# KiCad board mainboard.kicad_pcb (continued)
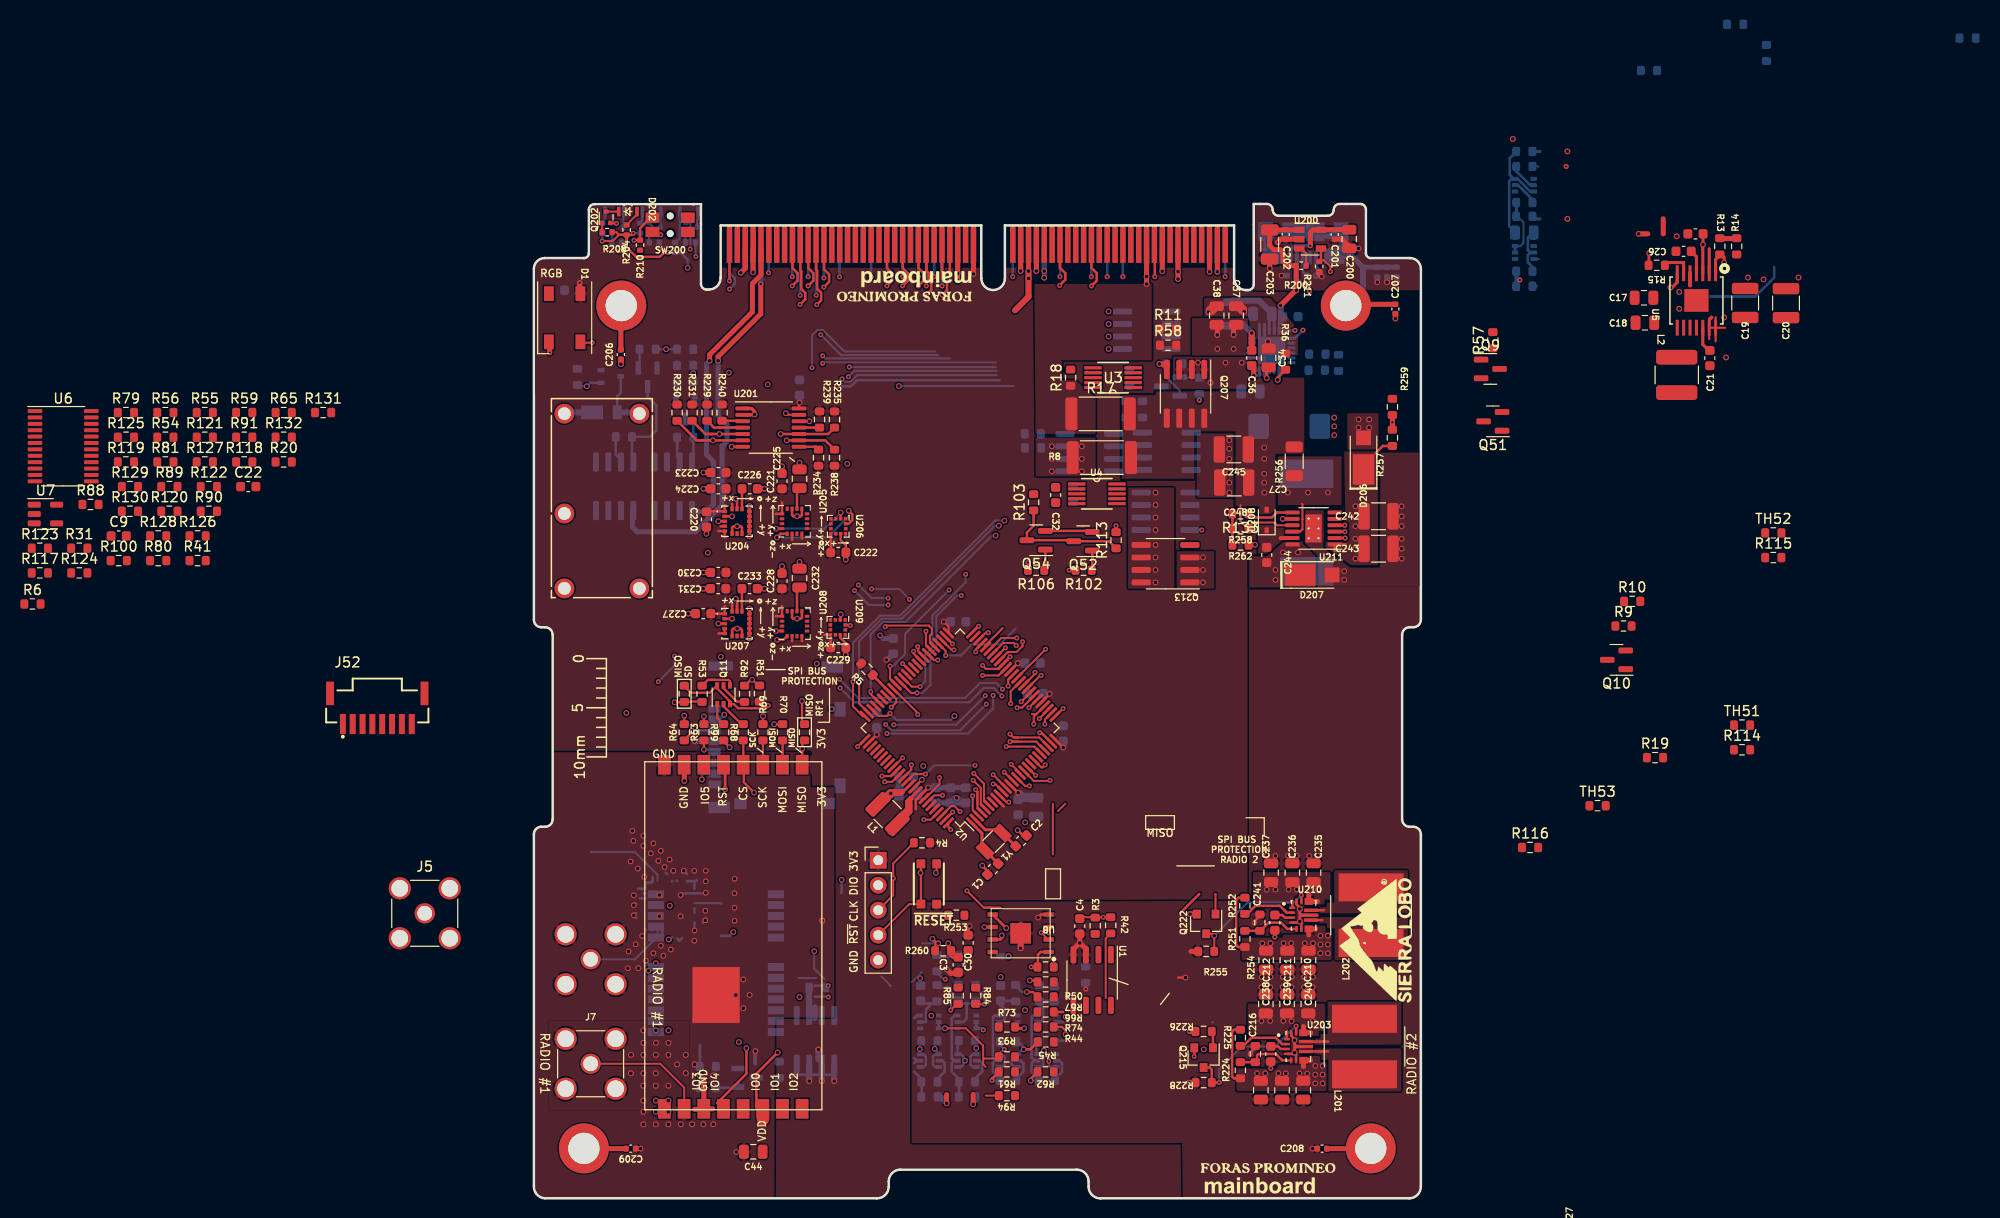
[diagram p0: board, top side]
## Routing (per net, layer and track width the routed paths; a pad name or vN(x,y) marks a point on that pad's centre or on a via; arc(x,y) is an arc through that point) (continued)
Net-(D202-Pad1): length 1.3
  Top w0.203: D202.1 8.62,100.37 Q202.3
Net-(D202-Pad2): length 1.8
  Top w0.203: R204.2 9.42,99.03 10.48,100.09 D202.2
Net-(D203-Pad1): length 1.6
  Bottom w0.203: Q203.3 16.58,99.52 16.65,99.59 16.65,100.38
Net-(D203-Pad2): length 3.3
  Bottom w0.203: R205.2 14.82,97.68 D203.2
Net-(J5-Pad1): length 8.4
  Bottom w0.203: 12.57,27.27 12.57,26.62 10.26,24.32 J5#2.1
Net-(J6-Pad1): length 8.4
  Bottom w0.203: 12.57,32.27 12.57,32.92 10.26,35.23 5.77,35.23
Net-(L201-Pad1): length 2.3
  Top w0.235: 80.12,15.94 80.77,15.94
  Top w0.254: U203.11 80.12,15.94
Net-(L201-Pad2): length 2.5
  Top w0.235: 79.88,14.94 80.75,14.94
  Top w0.254: U203.9 80.12,14.94
Net-(L202-Pad1): length 1.3
  Top w0.254: U210.11 80.33,29.3
Net-(L202-Pad2): length 1.1
  Top w0.254: U210.9 80.16,28.3
Net-(L203-Pad1): length 3.7
  Top w0.203: 78.08,70.65 78.13,70.6 78.13,68.06 77.88,67.81 77.12,67.81 U211.10
  vias: v1(76.66,71.79) v1(78.69,71.79) v1(80.72,71.79)
Net-(Q1-Pad1): length 2.3
  Bottom w0.272: 24.64,11.55 24.7,11.61 ; 18.52,11.25 20.67,11.25 ; 20.79,11.55 20.84,11.6
  vias: v2(18.24,11.45)
Net-(Q1-Pad3): length 0.6
  Bottom w0.279: 26.18,12.29 26.59,12.69
Net-(Q2-Pad2): length 6.3
  Bottom w0.203: 99.86,99.63 100.26,99.63 100.59,99.3 100.59,97.18 100.27,96.85 Q2.3
  Bottom w0.272: Q2.3 Q2.2 ; 99.9,99.53 99.9,101.16
Net-(Q3-Pad2): length 2.8
  Bottom w0.272: Q3.2 100.05,103.06 101.48,101.63 101.48,101.16
Net-(Q3-Pad5): length 2.8
  Bottom w0.272: Q3.5 101.29,103.06 99.9,104.45 99.9,104.97
Net-(Q4-Pad1): length 2
  Bottom w0.254: Q4.1 10.73,84.58 R32.1
Net-(Q5-Pad1): length 2
  Bottom w0.254: Q5.1 14.57,81.28 R33.1
Net-(Q7-Pad2): length 2.7
  Bottom w0.272: 49,12.1 49,12.13 49.75,12.88 49.75,13.77 49.51,14.01 Q7.2
Net-(Q8-Pad2): length 2.7
  Bottom w0.272: 52.94,12.1 52.94,12.13 53.69,12.88 53.69,13.77 53.45,14.01 Q8.2
Net-(Q11-Pad1): length 2.3
  Top w0.235: 19.28,48.2 18.63,48.85 Q11.1
Net-(Q11-Pad2): length 3
  Top w0.235: 21.28,48.2 21.13,48.2 19.28,50.05 Q11.2
Net-(Q11-Pad4): length 4.6
  Top w0.203: 18.36,52.74 17.69,52.74
  Top w0.235: 17.91,52.74 18.24,52.74 ; 18.24,52.74 19.79,52.74 19.93,52.59 Q11.4 ; 18.24,52.74 17.69,52.74 R53.1
Net-(Q11-Pad5): length 2.8
  Top w0.235: Q11.5 19.28,51.88 20.63,50.53 21.28,50.53
Net-(Q12-Pad2): length 2.3
  Top w0.272: 48.87,17.44 49.01,17.29 v1(49.83,17.29)
  Bottom w0.272: Q12.2 Q12.3 49.83,17.3 v1(49.83,17.29)
Net-(Q12-Pad6): length 9.7
  Top w0.272: 47.3,12.87 46.66,12.23 46.56,12.23
  Bottom w0.272: 46.91,14.01 46.67,14.25 46.67,18.44 46.83,18.6 Q12.6 ; 46.91,14.01 46.67,13.77 46.67,12.88 47.45,12.1 47.42,12.1 ; 46.91,14.01 Q7.5 ; 47.42,11.98 v3(46.56,11.98)
Net-(Q13-Pad2): length 2.3
  Top w0.272: 52.81,18.96 53.8,18.96
  Bottom w0.272: Q13.3 Q13.2 53.8,17.95
Net-(Q13-Pad6): length 10.8
  Top w0.203: v1(50.5,11.98) 50.5,12.17 R62.2
  Top w0.272: 50.6,12.23 51.23,12.87
  Bottom w0.272: 51.36,11.98 v1(50.5,11.98) ; 51.2,18.6 50.77,18.6 50.6,18.43 50.6,14.29 50.88,14.01 ; 51.36,12.1 50.61,12.85 50.61,13.77 50.85,14.01 51.2,14.01
Net-(Q15-Pad2): length 2.7
  Bottom w0.272: 44.81,12.1 44.78,12.1 45.56,12.88 45.56,13.77 45.32,14.01 Q15.2
Net-(Q15-Pad5): length 9.3
  Bottom w0.272: 42.72,14.01 42.48,13.77 42.48,12.88 43.23,12.13 43.23,10.58 ; 42.72,14.01 42.48,14.26 42.48,18.32 42.75,18.6 Q18.6 ; 42.72,14.01 Q15.5
Net-(Q16-Pad2): length 2.7
  Bottom w0.272: 41.16,14.01 41.51,14.01 41.75,13.77 41.75,12.88 41,12.13 41,12.1
Net-(Q16-Pad5): length 4.3
  Bottom w0.272: 39.42,10.58 39.42,12.13 38.67,12.88 ; 38.91,14.01 Q16.5 ; 38.91,14.01 38.67,13.77 ; 38.91,14.01 38.67,14.25 ; Q19.6 38.94,18.6 38.67,18.33
Net-(Q18-Pad2): length 1.4
  Bottom w0.272: Q18.2 Q18.3 45.53,17.3 v3(45.69,17.14)
Net-(Q19-Pad2): length 12.4
  Top w0.203: R94.2 45.93,10.45 ; v1(41.79,17.3) 43.91,17.3 45.67,15.53 45.67,13.63 45.93,13.37 ; 47.26,14.39 47.09,14.22 45.69,14.22
  Top w0.272: 47.3,14.39 47.13,14.22
  Bottom w0.272: 41.16,17.95 41.16,17.3 41.79,17.3 v1(41.79,17.3)
  Bottom w0.61: 47.29,24.61 48.25,24.61 v1(48.26,24.62)
Net-(Q20-Pad4): length 9.9
  Bottom w0.254: 10.04,75.2 9.97,75.26 R37.1 11.79,77.46 12.45,78.12 12.45,80.66 11.56,81.55 Q4.3
Net-(Q21-Pad4): length 4.9
  Bottom w0.254: Q5.3 15.99,79.27 16.21,79.06 R38.1 16.21,75.12 16.23,75.1
Net-(Q52-Pad1): length 2
  Top w0.254: R102.1 56.77,63.96 Q52.1
Net-(Q52-Pad3): length 12.7
  Top w0.254: R113.1 58.46,66.84 Q52.3 54.79,66.94 Q54.3 50.12,67.73 50.8,68.41 R103.1
Net-(Q53-Pad1): length 2
  Bottom w0.203: Q53.1 65.72,83.48 67.64,83.48
Net-(Q54-Pad1): length 2.1
  Top w0.254: R106.1 51.99,64.01 Q54.1
Net-(Q200-Pad1): length 1.2
  Bottom w0.203: Q200.1 7.93,97.24 R206.1
Net-(Q201-Pad1): length 1.2
  Bottom w0.203: R207.1 11.72,97.25 Q201.1
Net-(Q202-Pad1): length 1
  Top w0.203: R208.1 6.94,98.28 Q202.1
Net-(Q203-Pad1): length 1.2
  Bottom w0.203: Q203.1 15.42,98.37 R209.1
Net-(Q207-Pad4): length 6.7
  Top w0.254: 64.34,84.3 63.77,84.87 v1(63.58,84.87)
  Top w0.508: 64.34,84.3 64.34,84.87 ; v1(63.58,84.87) 64.21,84.87
  Bottom w0.203: Q53.2 65.66,82.16 64.28,83.54 R216.2
  Bottom w0.508: v1(63.58,84.87) R216.2
Net-(Q215-Pad1): length 1.7
  Top w0.254: Q215.1 69.03,16.85 R226.1
Net-(Q220-Pad4): length 11
  Top w0.203: R113.2 v3(59.18,68.41)
  In2.Cu w0.203: v3(59.18,68.41) 59.39,68.62 67.26,68.62 v3(67.9,67.98)
  Bottom w0.203: 68.02,67.98 v3(67.9,67.98) Q220.4
Net-(Q222-Pad1): length 2
  Top w0.203: 69.29,30.96 69.29,30.96 Q222.1
Net-(R13-Pad1): length 4.1
  Top w0.305: U5.2 119.49,96.58
  Top w0.508: 122.28,97.62 120.69,97.62
Net-(R15-Pad1): length 3.2
  Top w0.305: 114.94,94.87 115.26,95.19 116.88,95.19 116.89,95.18 U5.6
Net-(R24-Pad1): length 23.6
  In2.Cu w0.203: 32.46,25.44 21.92,25.44 v1(20.27,27.09)
  Bottom w0.203: 36.15,21.63 36.27,21.63 35.32,22.58 ; 26.91,22.41 28.69,22.41 ; v1(28.5,25.14) 28.5,23.36 29.58,22.28
  Bottom w0.254: 28.56,21.63 v3(29.92,21.63)
  Bottom w0.272: 14.57,26.42 14.78,26.2 15.07,26.49 ; 14.07,26.55 13.72,26.2 13.57,26.35
  Bottom w0.279: 19.02,26.7 19.88,26.7 v1(20.27,27.09)
  vias: v1(13.72,26.33)
Net-(R36-Pad2): length 3.4
  Top w0.254: R36.2 75.61,83.5 v1(75.61,83.25)
  Bottom w0.254: U17.8 75.76,83.39 v1(75.61,83.25)
  Bottom w0.279: 75.76,83.31 75.77,83.3
  Bottom w0.3: U17.8 75.76,83.31
Net-(R42-Pad2): length 6.8
  Top w0.203: R42.2 58.13,26.44 58.13,20.37
Net-(R224-Pad2): length 5.9
  Top w0.254: U203.5 76.06,14.04 75.42,14.68 73.65,14.68 73.52,14.55 73.52,13.86 73.52,13.85 72.12,13.85
Net-(R225-Pad2): length 5
  Top w0.254: U203.2 76.06,15.69 75.42,16.33 72.95,16.33 72.12,15.51
Net-(R229-Pad2): length 6.4
  Top w0.254: R229.2 18.3,78.4 U201.4 18.71,78.4
Net-(R234-Pad2): length 2.1
  Top w0.254: U201.8 28.65,76.45 R234.2
Net-(R239-Pad2): length 2.1
  Top w0.254: R239.2 U201.11
Net-(R240-Pad2): length 2.1
  Top w0.254: R240.2 21.17,79.1 U201.3
Net-(R251-Pad2): length 5.6
  Top w0.254: 72.53,27.22 73.93,27.22 73.93,27.28 74.69,28.04 75.96,28.04 76.6,27.4 U210.5
Net-(R252-Pad2): length 5.4
  Top w0.254: 76.34,29.25 76.54,29.05 U210.2 ; 76.34,29.25 76.47,29.12 ; 76.34,29.25 75.83,29.76 73.36,29.76 72.53,28.93
Net-(R257-Pad2): length 2.5
  Top w0.254: U211.2 v3(82.46,67.16)
  Top w0.508: R259.1 R257.2
  vias: v3(87.28,78.93)
Net-(R258-Pad2): length 3.3
  Top w0.254: 71.01,69.76 R262.1
Net-(U1-Pad1): length 6.2
  Top w0.203: 53.28,39.39 54.02,40.14 ; 52.75,34.99 52.75,40.14
Net-(U211-Pad7): length 4.8
  Top w0.254: R133.1 73.04,69.25 75.01,69.25 75.52,69.76 U211.7
unconnected-(U2-Pad49): length 0.7
  Top w0.203: U2.49 44.38,56.69
unconnected-(U14-Pad1):
  vias: v2(12.4,17.08) v2(13.67,17.08)
unconnected-(U14-Pad7):
  vias: v1(11.64,23.15) v1(12.4,23.91)
unconnected-(U23-Pad3): length 6.4
  Top w0.235: 17.22,9.06 17.3,9.14 17.3,9.79 17.3,9.13 17.28,9.11 ; 18.17,9.11 18.22,9.06 18.24,9.06
  Top w0.508: 17.28,9.11 18.17,9.11 ; 17.22,9.06 16.33,9.06 ; 17.28,9.06 17.28,12.16
  vias: v1(16.84,12.48) v1(16.84,11.44)
unconnected-(U23-Pad15): length 1.4
  Top w0.508: 15.28,43.83 15.29,43.82 v1(15.29,42.46)

## Copper pours and planes (outline as drawn; the poured copper is in the pictures)
3.3V on Top: 88.16,0 1.99,0 1.68,0.02 1.37,0.1 1.08,0.22 0.81,0.38 0.58,0.59 0.37,0.82 0.21,1.09 0.09,1.38 -0.01,2 0.21,101.13 16.97,101.13 16.97,94.65 73.23,94.65 73.23,101.13 90.12,101.13 90.16,93.88 90.16,2 90.14,1.69 90.06,1.38 89.94,1.09 89.78,0.82 89.57,0.59 89.34,0.38 89.07,0.22 88.78,0.1
GND on Top: 15.83,8.93 1.48,8.93 1.48,18.07 15.83,18.07
GND on Top: 28.12,41.82 30.53,41.82 30.53,18.39 24.5,18.39 24.44,0.1 32.31,0.23 65.97,0.17 65.9,5.63 38.41,5.63 38.41,30.14 72.7,30.26 72.7,62.52 90.29,62.52 90.22,0.04 0.05,0.04 0.05,45.38 28.12,45.38
GND on Top: 90.25,62.27 79.81,62.27 79.71,65.32 78.39,66.64 78.34,69.99 80.27,69.99 80.32,66.08 83.01,64.15 86.01,64.15 86.06,75.86 90.12,75.86
GND on Top: 71.2,71.29 67.39,71.29 67.39,77.89 71.2,77.89
GND on Bottom: 13.82,31.03 19.76,31.03 19.76,28.99 13.82,28.99 13.82,20.1 1.37,20.1 1.37,39.41 13.82,39.41
GND on Bottom: 16.97,101.13 16.97,94.65 73.1,94.65 73.23,101.13 90.12,101.13 90.16,93.88 90.16,2 90.14,1.69 90.06,1.38 89.94,1.09 89.78,0.82 89.57,0.59 89.34,0.38 89.07,0.22 88.78,0.1 88.16,0 1.99,0 1.68,0.02 1.37,0.1 1.08,0.22 0.81,0.38 0.58,0.59 0.37,0.82 0.21,1.09 0.09,1.38 -0.01,2 -0.01,101.13
GND on Bottom: 8.94,35.55 32.21,35.55 32.21,3.98 11.25,3.95 11.25,19.04 8.94,19.04
GND on In1.Cu: 0.02,101.13 16.97,101.13 16.91,94.65 73.17,94.65 73.17,101.13 90.12,101.13 90.25,0.04 -0.05,0.04
GND on In2.Cu: -0.05,40.42 10.72,40.42 21.48,34.71 21.48,27.85 20.02,27.47 19.51,26.2 10.72,19.53 -0.05,19.53
GND on In2.Cu: 90.19,0.04 -0.05,-0.03 0.02,101.13 17.03,101.13 16.97,94.65 73.17,94.65 73.17,101.13 90.12,101.13
GND on In4.Cu: 90.15,8.46 75.1,8.46 75.1,18.75 90.15,18.75
GND on In4.Cu: -0.05,40.42 10.72,40.42 21.48,34.71 21.48,27.85 20.02,27.47 19.51,26.2 10.72,19.53 -0.05,19.53
GNDREF on Top: 90.19,92.37 82.5,92.37 73.21,92.34 73.23,101.13 90.12,101.13
GNDREF on Top: 77.68,88.43 77.68,85.76 73.61,85.76 73.61,87.29 72.21,88.56 72.21,89.45 68.15,89.45 68.15,91.61 74.88,91.61
GNDREF on Bottom: 73.23,101.13 73.23,94.65 61.93,94.65 62.05,86.65 62.05,81.32 78.44,81.32 90.12,81.19 90.12,101.13
VBATT on Top: 62.82,85.26 53.67,85.26 53.67,83.22 55.07,83.22 57.1,81.45 57.1,77.76 51.01,77.76 50.88,93 62.82,93
VBUS on Top: 80.98,33.19 80.98,30.39 80.34,30.39 80.34,29.88 79.33,29.88 79.33,30.77 77.29,30.77 77.29,30.01 73.1,30.01 73.1,33.19
VBUS on Top: 80.44,19.82 80.44,17.03 79.81,17.03 79.81,16.52 78.79,16.52 78.79,17.41 76.76,17.41 76.76,16.65 72.57,16.65 72.57,17.79 72.58,19.82
VBUS on Top: 65.1,62.02 60.4,62.01 60.4,72.3 65.1,72.31
VBUS on Bottom: 65.1,62.01 60.4,62.01 60.4,72.3 65.1,72.3
VBUS on In2.Cu: 90.12,19.09 74.37,19.09 74.37,15.53 62.05,15.53 62.05,21.25 58.24,21.25 58.24,15.53 28.27,15.53 35.31,21.53 38.71,21.58 42.32,25.03 44.53,30.26 44.66,34.07 66.94,34.07 66.88,42.71 66.88,49.82 68.85,51.98 70.31,53.38 72.01,50.78 89.98,50.72
VBUS_INHIBIT on Top: 57.1,73.44 51.01,73.44 51.01,77.38 57.1,77.38
VBUS_INHIBIT on Bottom: 56.59,73.44 51.01,73.44 51.01,77.13 56.59,77.13
VBUS_USB on Top: 66.89,85.74 66.89,89.55 72.6,89.55 72.66,85.74
VBUS_USB on Top: 69.17,62.01 65.36,62.01 65.36,65.82 69.17,65.82
VBUS_USB on Bottom: 68.72,85.8 68.72,88.6 72.34,88.66 72.98,88.02 72.98,86.75 73.48,86.75 73.48,85.8
VCC_MHX on Top: 75.61,13.22 75.61,13.6 78.79,13.6 78.79,14.49 79.93,14.49 79.93,13.86 80.57,13.86 80.58,10.91 71.44,10.91 71.42,13.22
VCC_MHX on In2.Cu: 74.37,0.04 22.94,-0.28 22.94,15.15 58.5,15.15 58.5,20.99 61.8,20.99 61.8,15.15 74.37,15.15
VCC_MHX on In3.Cu: 62.44,12.99 48.02,12.99 48.02,20.8 45.54,20.8 45.67,94.65 62.69,94.65
VCC_PAYLOAD on Top: 76.15,26.52 76.15,26.84 79.33,26.84 79.33,27.72 80.47,27.72 80.47,27.09 81.1,27.09 81.1,24.23 71.96,24.23 71.96,26.52
VCC_PAYLOAD on In3.Cu: 45.16,20.49 47.7,20.49 47.7,12.99 29.1,12.99 29.23,94.65 45.16,94.65
/Burn Wires/VBURN_A_IN on Bottom: 1.53,76.34 16.89,76.34 16.89,72.28 4.96,72.28 4.96,68.34 1.53,68.34
/SLI_Card/CHS on In3.Cu: 88.17,0.01 2,0.01 1.69,0.03 1.38,0.1 1.09,0.22 0.82,0.39 0.59,0.59 0.38,0.83 0.22,1.1 0.1,1.39 0,2.01 0.22,101.14 16.98,101.14 16.98,94.66 73.24,94.66 73.24,101.14 90.13,101.14 90.17,93.89 90.17,2.01 90.15,1.69 90.07,1.39 89.95,1.1 89.79,0.83 89.58,0.59 89.35,0.39 89.08,0.22 88.79,0.1
/SLI_Card/CHS on In4.Cu: 88.16,0 1.99,0 1.68,0.02 1.37,0.1 1.08,0.22 0.81,0.38 0.58,0.59 0.37,0.82 0.21,1.09 0.09,1.38 -0.01,2 0.21,101.13 16.97,101.13 16.97,94.65 73.23,94.65 73.23,101.13 90.12,101.13 90.16,93.88 90.16,2 90.14,1.69 90.06,1.38 89.94,1.09 89.78,0.82 89.57,0.59 89.34,0.38 89.07,0.22 88.78,0.1
GPS_PWR_IN on Bottom: 23.67,19.93 31.29,19.93 31.29,17.26 23.67,17.26
VBURN1 on Bottom: 5.08,72.12 11.23,72.12 11.23,68.34 5.08,68.34
VBURN2 on Bottom: 11.38,72.12 16.92,72.12 16.89,68.34 11.38,68.34
VCHRG on Top: 72.72,82.08 72.72,83.48 78.31,83.48 78.31,75.73 75.39,75.73 75.39,69.25 73.74,69.25 73.74,70.4 71.33,70.4 71.33,78.02 67.13,78.02 67.13,73.19 59.77,73.19 59.77,81.7 63.2,81.7 63.2,82.08
VCHRG on Bottom: 75.14,71.29 71.58,71.29 71.58,80.18 75.26,80.18
VCHRG_USB on Top: 74.37,82.33 64.98,82.33 64.98,85.64 74.41,85.64
VCHRG_USB on Bottom: 72.47,83.73 72.47,81.32 66.5,81.32 66.52,83.1 64.98,83.1 64.98,85.67 73.48,85.67 73.48,84.53
VSOLAR on Top: 85.87,79.85 85.87,76.17 82.69,76.17 82.69,79.85
VSOLAR on In4.Cu: 90.12,76.11 67.52,76.37 59.01,84.87 19.02,84.9 19,94.53 70.94,94.65 70.94,92.37 76.91,87.54 89.87,87.54 90.12,87.41
Net-(C242-Pad1) on Top: 85.8,64.43 83.06,64.43 80.47,66.23 80.47,66.84 82.5,66.84 82.5,68.87 82.38,75.98 85.8,75.98
Net-(C244-Pad1) on Top: 79.45,62.14 72.72,62.14 72.72,65.32 74.5,65.31 76.28,66.84 78.18,66.84 78.18,66.59 79.45,65.32
Net-(C244-Pad1) on Bottom: 81.59,62.12 74.83,62.12 74.83,66.13 81.59,66.13
Net-(C244-Pad2) on Top: 76.3,68.47 76.28,67.4 76.28,66.9 76.25,66.89 74.53,65.57 73.61,65.57 73.61,68.75 75.14,68.75
Net-(L201-Pad1) on Top: 88.19,15.63 80.06,15.61 79.37,15.61 79.37,16.24 79.95,16.24 79.95,16.71 80.69,16.71 80.69,20.01 88.19,20.01
Net-(L201-Pad2) on Top: 88.19,15.25 88.19,10.87 80.76,10.87 80.76,14.11 80.06,14.11 80.07,14.59 79.37,14.59 79.37,15.23
Net-(L202-Pad1) on Top: 88.85,28.99 79.9,28.99 79.9,29.63 80.6,29.63 80.6,30.07 81.36,30.07 81.36,33.38 88.85,33.38
Net-(L202-Pad2) on Top: 88.85,28.61 88.85,24.23 81.42,24.23 81.42,27.47 80.6,27.47 80.6,27.98 79.9,27.98 79.9,28.61
Net-(L203-Pad1) on Top: 82.12,70.52 75.64,70.52 75.64,75.48 82.12,75.48
Net-(Q211-Pad5) on Bottom: 63.32,73.32 57.61,73.32 57.61,78.65 63.32,78.65
Net-(Q212-Pad5) on Bottom: 68.79,67.35 65.36,67.35 65.36,72.56 65.1,72.56 65.1,78.65 68.79,78.65
Net-(R13-Pad1) on Top: 121.23,97.98 121.23,95.95 120.12,95.44 120.12,93.79 118.85,93.79 118.85,97.98

## Text on the board
B.Mask: HILLIS
B.Silkscreen: RF2 | 3V3 | ADJ | SWCLK | SWDIO | V | ~{RESET} | GND | RADIO #1 | IO2 | IO1 | IO0 | IO4 | IO3 | ANT | RADIO #2 | 1
User.Drawings: TODO: / remove pycubed mounting holes to ours, isloate gnd from chassis on the board / remove usbc and port our usb mount to the design / add the rgb led to the fins? / maybe remove some of our LEDs? / determine pinouts / fix the xyz coord graphic to new orientation
F.Mask: HILLIS
F.Silkscreen: SCK | MOSI | MISO | SPI BUS / PROTECTION | SPI BUS / PROTECTION / RADIO 2 | MISO / SD | MISO / RF1 | GND | IO3 | IO5 | IO4 | RST | CS | IO0 | VDD | IO1 | IO2 | 3V3 | RGB | DIO | CLK | ~{RST} | RADIO #1 | RADIO #2 | ~{RESET}
